# Altium PCB Gateway_V2.0_Final_PCB.PcbDoc (continued)
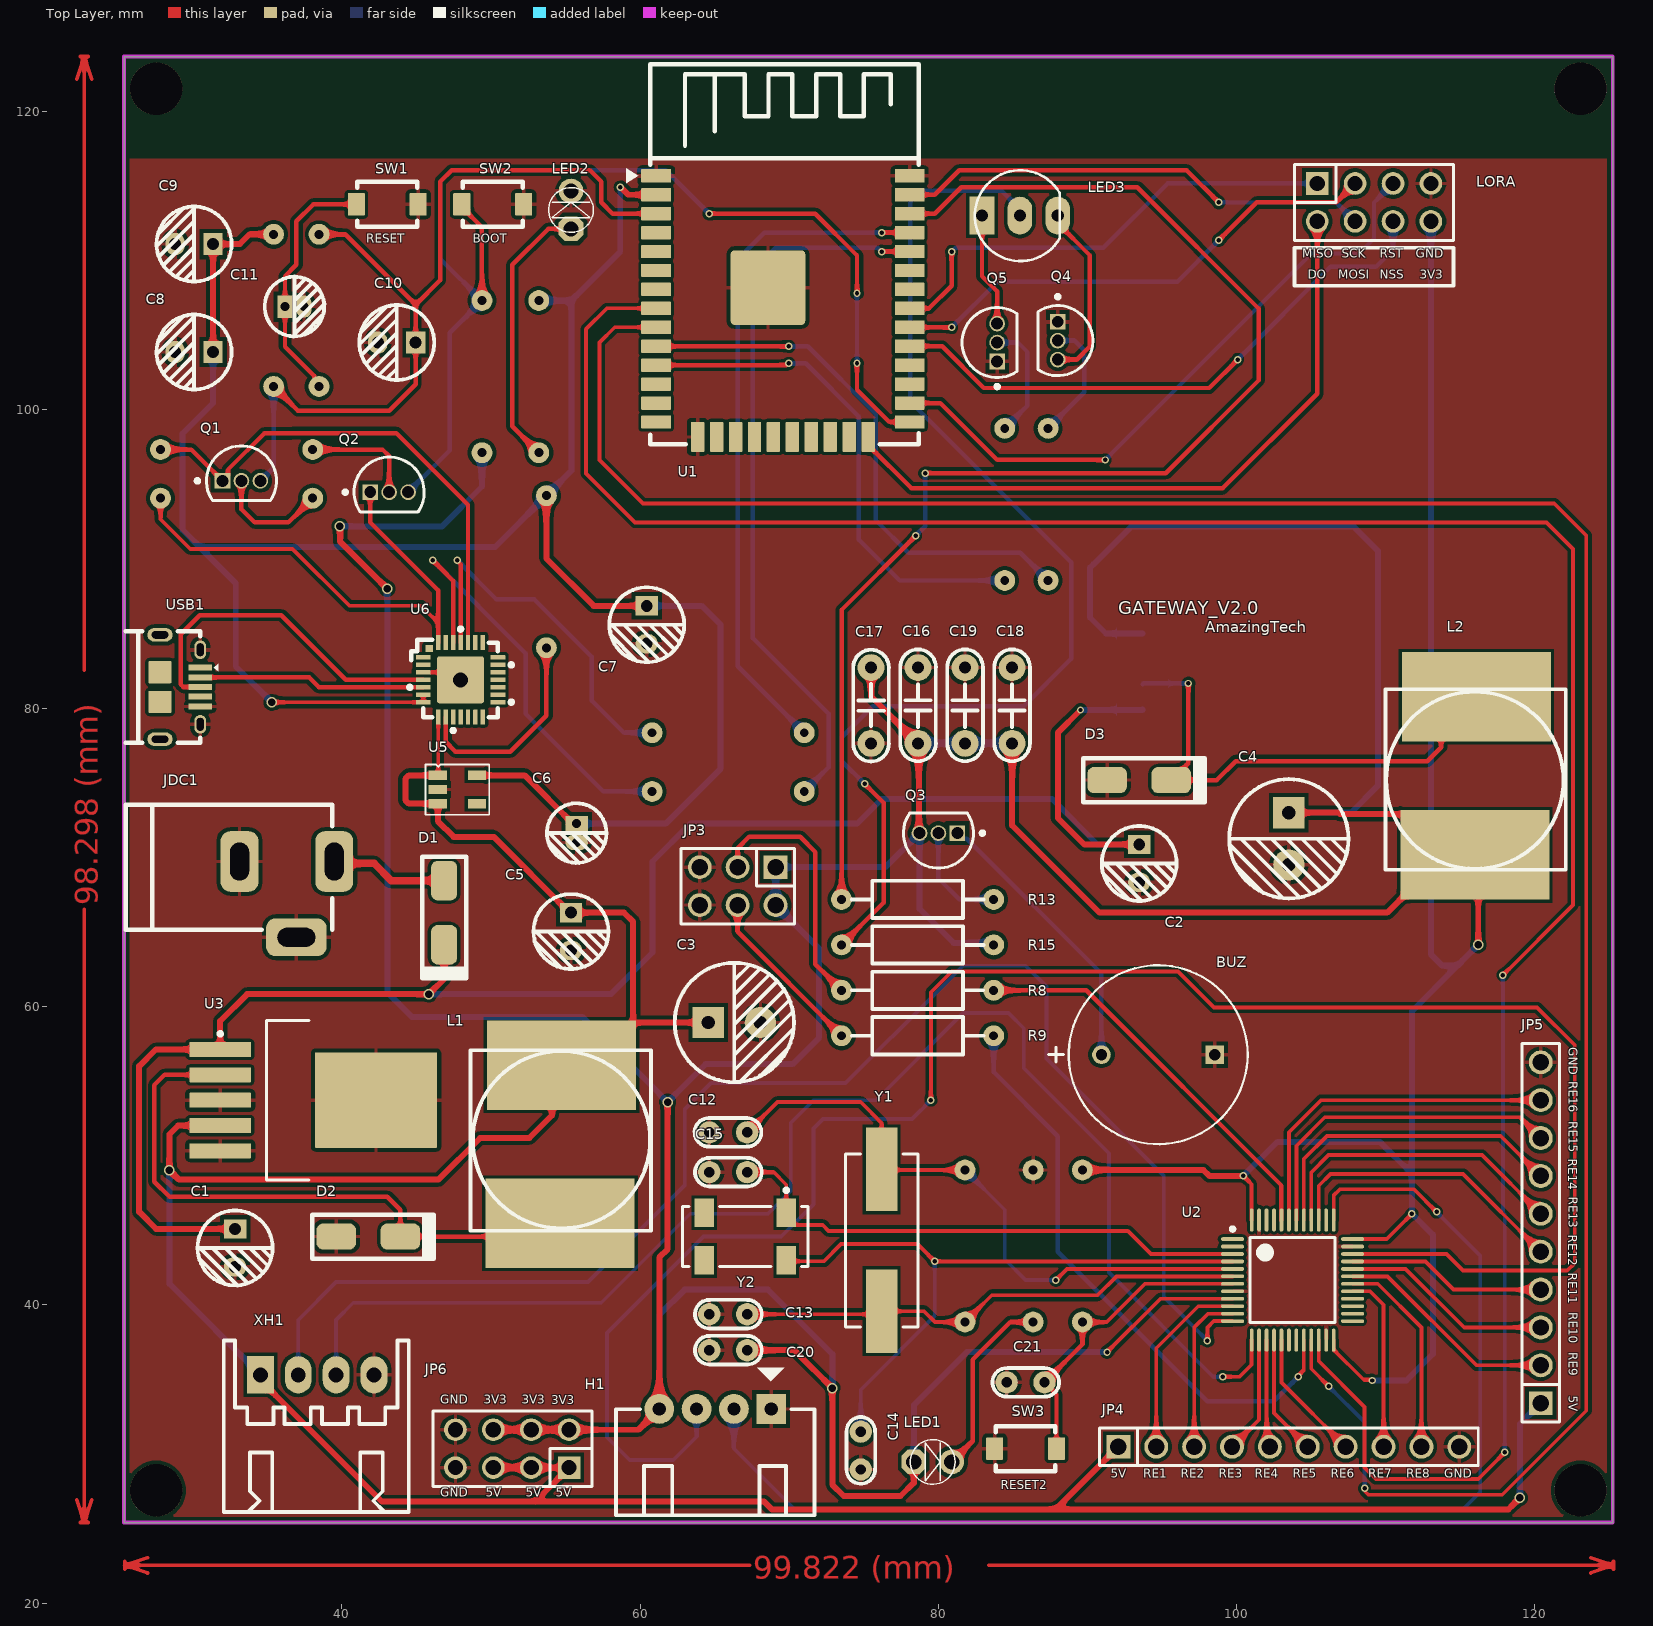
[diagram p0: Top Layer view]
## Footprints (in the part's own frame and the unit in brackets; to place one, negate y for a bottom-side part, rotate by r counter-clockwise, add the part's x,y. Pads: shape width x height; smd on the part's side, far side on the other; paste and mask are expansions set on the pad) (continued)
  silkscreen extent -3.81,-2.54 3.81,2.54, body extent -3.81,-2.54 3.81,2.54, height 8.55
"JP 2x4 CT" [mm] "8 pins, dual row, straight, gold plating"
  rect 1.52x1.52 hole 1.02: 1(-3.81,1.27)
  round 1.52 hole 1.02: 2(-1.27,1.27) 3(1.27,1.27) 4(3.81,1.27) 5(3.81,-1.27) 6(1.27,-1.27) 7(-1.27,-1.27) 8(-3.81,-1.27)
  silkscreen extent -5.33,-2.54 5.33,2.54, body extent -5.33,-2.54 5.33,2.54, height 8.51
KTT0005B_N [mm] "DPAK, 5-Leads, Body 10.65x9.65mm, Pitch 1.7mm, IPC Medium Density"
  rrect10% 4.15x1 smd: 1(-6.25,3.4) 2(-6.25,1.7) 3(-6.25,0) 4(-6.25,-1.7) 5(-6.25,-3.4)
  rrect2% 8.2x6.4 smd: 6(4.2,0)
  silkscreen extent -6.37,-5.35 -0.3,5.35, body extent -3.15,-5.32 6.5,5.33, height 4.83
LED-3MM-GREEN [mil]
  oct 65x65 hole 40: 1(0,0)
  round 65 hole 40: 2(100,0)
  silkscreen extent -9,-59 109,59, body extent -15,-70 112,60, height 182
"LED-5MM 2 MAU" [mil] "LED 3 PIN, 5 ly , Two colour"
  rect 65x100 hole 32: 1(0,0)
  oval 65x100 hole 32: 2(100,0) 3(200,0)
  silkscreen extent -19,-120 205,120, body extent -16,-116 210,116, height 427
ONSC-TO-92-3-29-11 [mm] "TO, 3-Leads, Body Dia 4.7mm, Pitch 1.27mm"
  rect 1.05x1.05 hole 0.8: 1(-1.27,0)
  round 1.05 hole 0.8: 2(0,0) 3(1.27,0)
  silkscreen extent -3.07,-1.34 2.35,2.35, body extent -2.35,-1.33 2.36,2.36, height 7.87
SOT23-5 [mm] "CASE: SOT"
  rect 0.62x1.22 smd mask+0.076: 1(-0.953,-1.31) 2(-0.003,-1.31) 3(0.947,-1.31) 4(0.952,1.31) 5(-0.953,1.31)
  silkscreen extent -1.69,-2.14 1.69,2.14, body extent -1.5,-1.5 1.5,1.5, height 1.41
SS14 [mm] "Diode SMD"
  rrect50% 2.65x1.75 smd: 1(-2.15,0) 2(2.15,0)
  silkscreen extent -3.75,-1.48 4.4,1.48, body extent -2.79,-1.98 2.79,1.97, height 2.6
STM-LQFP48_L [mm] "QFP, 48-Leads, Body 7x7mm, Pitch 0.5mm, IPC High Density"
  oval 1.55x0.25 smd: 1(-4.025,2.75) 2(-4.025,2.25) 3(-4.025,1.75) 4(-4.025,1.25) 5(-4.025,0.75) 6(-4.025,0.25) 7(-4.025,-0.25) 8(-4.025,-0.75) 9(-4.025,-1.25) 10(-4.025,-1.75) 11(-4.025,-2.25) 12(-4.025,-2.75) 25(4.025,-2.75) 26(4.025,-2.25) 27(4.025,-1.75) 28(4.025,-1.25) 29(4.025,-0.75) 30(4.025,-0.25) 31(4.025,0.25) 32(4.025,0.75) 33(4.025,1.25) 34(4.025,1.75) 35(4.025,2.25) 36(4.025,2.75)
  oval 0.25x1.55 smd: 13(-2.75,-4.025) 14(-2.25,-4.025) 15(-1.75,-4.025) 16(-1.25,-4.025) 17(-0.75,-4.025) 18(-0.25,-4.025) 19(0.25,-4.025) 20(0.75,-4.025) 21(1.25,-4.025) 22(1.75,-4.025) 23(2.25,-4.025) 24(2.75,-4.025) 37(2.75,4.025) 38(2.25,4.025) 39(1.75,4.025) 40(1.25,4.025) 41(0.75,4.025) 42(0.25,4.025) 43(-0.25,4.025) 44(-0.75,4.025) 45(-1.25,4.025) 46(-1.75,4.025) 47(-2.25,4.025) 48(-2.75,4.025)
  silkscreen extent -4.15,-2.85 2.85,3.55, body extent -3.5,-3.5 3.5,3.5, height 1.6
"tro vach 1/4w" [mm]
  round 1.4 hole 0.6: 1(-5.1,0) 2(5.1,0)
  silkscreen extent -4.39,-1.25 4.42,1.25, body extent -5.38,-1.19 5.38,1.19, height 2.41
TS5B_M [mm] "D2-PAK, 6-Leads, Body 8.6x10.2mm, Pitch 1.7mm, Lead Span 14.1mm, IPC Low Density"
  rect 3.5x1.1 smd: 1(-6.05,3.4) 2(-6.05,1.7) 3(-6.05,0) 4(-6.05,-1.7) 5(-6.05,-3.4)
  rect 8.6x10.5 smd: 6(3.5,0)
  silkscreen extent -6.17,-5.2 -1.2,5.2, body extent -2.6,-5.2 6.29,5.2, height 4.65
"tu gom" [mm] "Tu gom mini"
  round 1.5 hole 0.7: 1(-1.27,0) 2(1.27,0)
  silkscreen extent -2.25,-0.97 2.22,0.97, body extent -2.92,-0.85 2.92,0.85, height 6.12
"tu hoa 4mm" [mm]
  rect 1x1.5 hole 0.6: 1(-0.635,0)
  oval 1x1.5 hole 0.6: 2(0.635,0)
  silkscreen extent -2,-2 2.01,2.01, body extent -2.47,-2.47 2.58,2.58, height 14.81
"tu hoa 5mm" [mm]
  rect 1.3x1.5 hole 0.8: 1(-1.27,0)
  oval 1.3x1.5 hole 0.8: 2(1.27,0)
  silkscreen extent -2.51,-2.51 2.51,2.51, body extent -3.12,-3.18 3.23,3.18, height 14.55
"tu hoa 8mm" [mm]
  rect 2.1x2.1 hole 0.9: 1(-1.75,0)
  round 2.1 hole 0.9: 2(1.75,0)
  silkscreen extent -4,-4 4,4, body extent -4.1,-4.07 4.1,4.13, height 13.81
"tu tantalum dip5.08" [mm]
  round 1.8 hole 0.8: 1(-2.54,0) 2(2.54,0)
  silkscreen extent -3.74,-1.2 3.76,1.2, body extent -2.82,-1.08 2.77,1.08, height 6.27
"USB_MICRO_B - Digikey" [mm] "USB_MICRO_B, 609-4618-1-ND"
  rrect10% 0.4x1.6 smd: 1(0,0) 2(0.65,0) 3(1.3,0) 4(1.95,0) 5(2.6,0)
  oval 1.25x0.8 hole 0.85 slot 0.5 at 90 deg: 6(-1.2,0) 7(3.8,0)
  oval 0.9x1.7 hole 0.5 slot 1.1 at 90 deg: 8(-2.2,-2.7) 9(4.8,-2.7)
  rrect10% 1.5x1.55 smd: ""(0.3,-2.7) ""(2.3,-2.7)
  silkscreen extent -2.45,-5 5.05,1.22, body extent -2.45,-5 5.05,0.29, height 2.61
XH4/2.54mm/90 [mm]
  rect 1.8x2.5 hole 1: 1(0,0)
  oval 1.8x2.5 hole 1: 2(2.54,0) 3(5.08,0) 4(7.62,0)
  silkscreen extent -2.45,-9.2 9.95,2.3, body extent -2.45,-9.2 9.95,2.3, height 6.1

## Part data
BUZ: library part CMP-12433-000001-1, "MAGNETIC BUZZER AND TRANSDUCER - More Details", Current=30mA, Frequency=2300Hz, Manufacturer="Multicomp Pro", Manufacturer Part Number=MCKPX-G1203A-K4056, Max Supply Voltage=5V, Min Supply Voltage=2V, Operating Supply Voltage=3V, Package=0, Temperature="-20°C to +70°C", Temperature Range High=+70°C, Temperature Range Low=-20°C, Automotive=No, Category=Speak, ComponentLink2Description=Datasheet, ComponentLink2URL=http://www.farnell.com/datasheets/1498149.pdf?_ga=2.17855225.1157923166.1572356775-536200964.1569240579, Device Class L1=Electromechanical, Device Class L2="Audio Products", Device Class L3=Buzzers, Height=9.5mm, Lead Free=Yes, Octopart=https://octopart.com/mckpx-g1203a-k4056-multicomp-12157154, RoHS=TRUE, Standoff Height=0.5mm
C1 C2: library part "Tu Hoa 100uF 16V 5x7", "Cắm", Chung_Loai=Cắm, Don_Vi=Con, Ma_Hang=MH001347, So_Chan=2, Ten_Linh_Kien="Tụ Hóa 100uF 16V 5x7MM"
C3 C4: library part "Tu Hoa 1000uF 16V 8x20", "Cắm", Chung_Loai=Cắm, Don_Vi=Con, Ma_Hang=MH008300, So_Chan=2, Ten_Linh_Kien="Tụ Hóa 1000uF 16V 8x20MM"
C5 C7 C9: library part "Tu Hoa 0.1uF 50V 5x11", "Cắm", Chung_Loai=Cắm, Don_Vi=Con, Ma_Hang=MH006853, So_Chan=2, Ten_Linh_Kien="Tụ Hóa 0.1uF 50V"
C6 C11: library part "Tu Hoa 10uF 25V 4x7", "Cắm", Chung_Loai=Cắm, Don_Vi=Con, Ma_Hang=MH001349, So_Chan=2, Ten_Linh_Kien="Tụ Hóa 10uF 25V 4x7MM"
C8: library part "Tu Hoa 22uF 35V 5x11", "Cắm", Chung_Loai=Cắm, Don_Vi=Con, Ma_Hang=MH001350, So_Chan=2, Ten_Linh_Kien="Tụ Hóa 22uF 35V 5x11MM"
C10: library part "Tu Hoa 4.7uF 50V 5x11", "Cắm", Chung_Loai=Cắm, Don_Vi=Con, Ma_Hang=MH001357, So_Chan=2, Ten_Linh_Kien="Tụ Hóa 4.7uF 50V 5x11MM"
C12 C13 C14 C15 C20 C21: library part "Tu gom 20pF 50V", "Căm", Chung_Loai=Cắm, Don_Vi=Con, Ma_Hang=MH004768, So_Chan=2, Ten_Linh_Kien="Tụ gốm 20P 50V"
C16 C17 C18 C19: library part "Tu tantalum 100nF 50V 20% DIP5.08", "Cắm", Chung_Loai=Cắm, Don_Vi=Con, Ma_Hang=MH003955, So_Chan=2, Ten_Linh_Kien="Tụ tantalum 104-100nF 50V 20% DIP5.08 (sứ vàng)(10PCS)"
D1 D2 D3: library part "D Schottky", "Schottky Diode", Code_JEDEC=DO-214-AA, LatestRevisionDate=17-Jul-2002, LatestRevisionNote="Re-released for DXP Platform.", PackageDescription="DO-214-AA/SMB; 2 C-Bend Leads; Body 5.3 x 3.6 mm, inc. leads (LxW)", PackageReference=SMB, Published=8-Jun-2000, Publisher="Altium Limited"
H1: library part "Header 4P 2.54 Duc Cong", "Cắm", Chung_Loai=Cắm, Don_Vi=Con, Ma_Hang=MH001310, Ten_Linh_Kien="Header 4P XH2.54-4P Đực Cong"
JDC1: library part DCIN, "Jac DC input"
JP3: library part "JP 2x3 2.54 Duc Thang", "Cắm", Chung_Loai=Cắm, Don_Vi=Con, Ma_Hang=MH002686, Ten_Linh_Kien="Jump Đôi Đực 2.54MM 2x40P Thẳng 11MM"
JP4 JP5: library part "JP 1x10 2.54 Duc Thang", "Cắm", Chung_Loai=Cắm, Don_Vi=Con, Ma_Hang=MH000903, Ten_Linh_Kien="Jump Đơn Đực 2.54MM 1x40P Thẳng 11MM"
JP6 LORA: library part "JP 2x4 2.54 Cai Thang", "Cắm", Chung_Loai=Cắm, Don_Vi=Con, Ma_Hang=MH008647, Ten_Linh_Kien="Jump Đôi Cái 2.54MM 2x20P Thẳng"
L1 L2: library part "CUON CAM 100uH SMD", "Dán", Chung_Loai=Dán, Don_Vi=Con, Ten_Linh_Kien="Cuộn Cảm 100uH 7x7x4MM CD74"
LED1 LED2: library part "LED 3mm Xanh La", "Cắm", Chung_Loai=Cắm, Don_Vi=Con, Ma_Hang=MH001054, Ten_Linh_Kien="Led 3MM Phủ Xanh (10c)"
LED3: library part "LED 5mm 2 mau Anot chung", "Cắm", Chung_Loai=Cắm, Don_Vi=Con, Ma_Hang=MH001231, Ten_Linh_Kien="Led 5MM 2 Mầu Anot Xanh Đỏ (10c)"
Q1 Q2 Q3 Q4 Q5: library part CMP-2000-05562-1, "General Purpose Transistor, NPN Silicon, 200 mA, 60 V, -55 to 150 degC, 3-Pin TO-92, RoHS, Bulk", Collector- Base Voltage VCBO=60V, Collector- Emitter Voltage VCEO Max=40V, Collector-Emitter Saturation Voltage=0.3V, Emitter- Base Voltage VEBO=6V, Manufacturer=ONSemiconductor, Maximum DC Collector Current=0.2A, Maximum Operating Temperature=+150C, Maximum Power Dissipation=625mW, Minimum Operating Temperature=-65C, Package / Case=TO-92-3(TO-226), Package Description="3-Pin Transistor Outline, Body 4.825 x 3.685 mm, Pitch 1.27 mm", Package Reference=TO-92-3-29-11, Brand=ONSemiconductor, Configuration=Single, Datasheet URL=https://datasheet.ciiva.com/4725/2n3903-d-285841-4725808.pdf, Datasheet Version="Rev. 8, 08/2012", DC Collector/Base Gain hfe Min=60, Factory Pack Quantity=5000, Gain Bandwidth Product fT=270MHz, Manufacturer URL=http://www.onsemi.com/, Mounting Style=ThroughHole, Mounting Technology=ThroughHole, Packaging=Bulk, Product Category=BipolarTransistors-BJT, RoHS=Details, Transistor Polarity=NPN
R1 R2 R7 R12: library part "Tro Vach 1/4W 5% 10k", "Căm", Chung_Loai=Cắm, Don_Vi=Con, Ma_Hang=MH007354, So_Chan=2, Ten_Linh_Kien="Trở Vạch 1/4w 5% 10K"
R3 R4 R14 R15: library part "Tro Vach 1/4W 5% 1k", "Cắm", Chung_Loai=Cắm, Don_Vi=Con, Ma_Hang=MH007390, So_Chan=2, Ten_Linh_Kien="Trở Vạch 1/4w 5% 1k"
R5 R6: library part "Tro Vach 1/4W 1% 10k", "Cắm", Chung_Loai=Cắm, Don_Vi=Con, Ma_Hang=MH006349, So_Chan=2, Ten_Linh_Kien="Trở Vạch 1/4w 1% 10k"
R8 R9: library part "Tro Vach 1/4W 5% 100k", "Cắm", Chung_Loai=Cắm, Don_Vi=Con, Ma_Hang=MH007352, So_Chan=2, Ten_Linh_Kien="Trở Vạch 1/4w 5% 100k"
R10 R11: library part "Tro Vach 1/4W 5% 1M", "Cắm", Chung_Loai=Cắm, Don_Vi=Con, Ma_Hang=MH007392, So_Chan=2, Ten_Linh_Kien="Trở Vạch 1/4w 5% 1M"
R13 R16 R17: library part "Tro Vach 1/4W 5% 220R", "Cắm", Chung_Loai=Cắm, Don_Vi=Con, Ma_Hang=MH007300, So_Chan=2, Ten_Linh_Kien="Trở Vạch 1/4w 5% 220R"
R18: library part "Tro Vach 1/4W 5% 4.7k", "Cắm", Chung_Loai=Cắm, Don_Vi=Con, Ma_Hang=MH007317, So_Chan=2, Ten_Linh_Kien="Trở Vạch 1/4w 5% 4.7k"
SW1 SW2 SW3: library part SW2, "SWITCH TACTILE SPST-NO 0.05A 12V", Digikey=CKN10384CT-ND
U1: "ESP-WROOM-32 (8MB), WIFI MODULE 64 MBITS SPI FLASH", Digikey=1904-1019-1-ND
U2: library part CMP-0237-00215-3, "ARM Cortex-M3 32-bit MCU, 64 KB Flash, 20 KB Internal RAM, 37 I/Os, 48-pin LQFP, -40 to 85 degC, Tray", I/Os (High Current)=37, Operating Frequency(F) (Processor speed) (MHz)=72, Supply Voltage(Vcc) min (V)=2, A/D Converter="2x12-bit (10 Channel)", ComponentLink1Description="Manufacturer URL", ComponentLink1URL=http://www.st.com/web/en/home.html, ComponentLink2Description=Datasheet, ComponentLink2URL=http://www.st.com/st-web-ui/static/active/en/resource/technical/document/datasheet/CD00161566.pdf, ComponentLink3Description="Package Specification", ComponentLink3URL=http://www.st.com/st-web-ui/static/active/en/resource/technical/document/datasheet/DM00058181.pdf, Core="ARM Cortex-M3", DatasheetVersion="Rev. 16", FLASH Size (Prog) (kB)=64, Internal RAM Size (kB)=20, Mounting Technology="Surface Mount", PackageDescription="48-Pin Low Profile Quad Flat Package, 7 x 7 mm Body, 0.5 mm Pitch", PackageReference=LQFP48, PackageVersion="Rev. 6, 06/2013", Packing=Tray, PartNumber=STM32F103C8T6
U3: library part CMP-0069-00115-3, "SIMPLE SWITCHER® 3A Step-Down Voltage Regulator, 5-pin TO-263", Manufacturer="Texas Instruments", PackageTopMarking="NSUZXYTTE#*LM2576S*-5.0 P+", PowerWise=N, Code_JEDEC=MO-169-AB, ComponentLink1Description="Datasheet URL", ComponentLink1URL=http://www.ti.com/general/docs/lit/getliterature.tsp?genericPartNumber=LM2576&fileType=pdf, CompType=Switcher, PackageDescription="TO-263, Molded, .400 x .390 x .180in, 5 Lead, .067in Pitch, Surface Mount", PackageReference=KTT0005B, PinCount=5, RoHS=N
U4: library part CMP-0069-00113-2, "SIMPLE SWITCHER® 3A Step-Down Voltage Regulator, 5-pin TO-263", Manufacturer="National Semiconductor", PackageTopMarking="NSUZXYTTE#*LM2576S*-3.3 P+", PowerWise=N, Code_JEDEC=MO-169-AB, ComponentLink1Description="LM2576 Datasheet", ComponentLink1URL=http://www.national.com/ds/LM/LM2576.pdf, ComponentLink2Description="LM2576 Web Page", ComponentLink2URL=http://www.national.com/pf/LM/LM2576.html, ComponentLink3Description="TS5B Package Page", ComponentLink3URL=http://www.national.com/packaging/folders/ts5b.html, CompType=Switcher, DatasheetVersion=Aug-2004, PackageDescription="TO-263, Molded, .400 x .390 x .180in, 5 Lead, .067in Pitch, Surface Mount", PackageReference=TS5B, PackageVersion="revD, Apr-2005", PinCount=5, RevisionNote="Component URLs added", RoHS=N
U5: library part REG_5.5V-3.3V-0.3A-1W-SOT-23-5, "Linear Voltage Regulator IC 1 Output 300mA SOT-23-5", Alternate Part Number-1=NA, Case/Package=SOT-23-5, Manufacturer="Richtek USA Inc.", Supplier Part Number-1=C15651, Manufacturer Part Number=RT9193-33GB, Supplier-1=LCSC
U6: library part CP2102, "USB Bridge, USB to UART USB 2.0 UART Interface 28-QFN (5x5)", Digikey=336-3694-ND, VNBuy=https://banlinhkien.vn/goods-2607-cp2102-qfn28.html
USB1: library part USB_MINI, "USB - micro B USB 2.0 Receptacle Connector 5 Position Surface Mount, Right Angle; Through Hole", BuyVN=https://banlinhkien.vn/goods-5145-microusb-mk5p-dip.html, Digikey=609-4618-1-ND
Y1: library part CMP-27762-001729-1, "CRYSTAL 8.0000MHZ 18PF SMD", ESR (Equivalent Series Resistance)=80R, Frequency=8MHz, Frequency Stability=30ppm, Load Capacitance=18pF, Max Operating Temperature=85°C, Min Operating Temperature=-40°C, Operating Frequency="8 MHz", Package Quantity=1000, Depth=4.7mm, Frequency Tolerance=30ppm, Height=0.13inch, Lead Free="Lead Free", Length=11.4mm, Mount="Surface Mount", Number of Pins=2, Packaging="Tape and Reel", RoHS Compliant=Yes, Series=ABLS2, Series Resistance=80R, Termination=SMD/SMT, Tolerance=30ppm, Width=4.7mm
Y2: library part CMP-2000-05037-2, "CRYSTAL 32.7680KHZ 12.5PF SMD", Case/Package=SMD/SMT, ESR (Equivalent Series Resistance)=50kR, Frequency=32.768kHz, Frequency Tolerance=20ppm, Load Capacitance=12.5pF, Max Operating Temperature=85°C, Min Operating Temperature=-40°C, Operating Frequency="32.768 kHz", Package Quantity=1000, Depth=3.8mm, Height=0.098inch, Lead Free="Lead Free", Length=8mm, Mount="Surface Mount", Number of Pins=4, Packaging="Tape and Reel", Radiation Hardening=No, REACH SVHC="No SVHC", RoHS Compliant=Yes, Series=ABS25, Series Resistance=50kR, Termination=SMD/SMT, Tolerance=20ppm, Width=3.8mm

## Free pads (board coordinates)
  round 3.5 hole 3.5: ""(27.559,27.559) ""(27.559,121.539) ""(123.063,27.559) ""(123.063,121.539)

## Via types
v1: diameter 0.5, hole 0.3, Top Layer to Bottom Layer, 36 vias
v2: diameter 0.7, hole 0.5, Top Layer to Bottom Layer, 9 vias

## Nets (pads, with @x,y where several pads share a name; then routed paths per layer and width w, separated by ;. In a path a pad name is that pad's centre, name@x,y a point inside that pad or via, vN(x,y) a via of type N, cw(c..) or ccw(c..) an arc to the next point about the centre after c; other vN are vias at no path point)
3.3V_ESP: C6.1 C7.1 C8.1 C9.1 R5.1 R14.1 R18.1 U1.2 U5.5 U6.6 U6.7 | length 147.8
  Top Layer w0.254: v2(35.306,80.391) 35.314,80.399 45.458,80.399 U6.7 U6.6
  Top Layer w0.4: C8.1 C9.1 33.163,111.125 33.818,111.78 R5.1 ; U5.5 52.264,75.502 55.503,72.263 C6.1 ; R18.1 53.721,90.043 56.896,86.868 C7.1 ; v1(58.674,114.935) 58.701,114.935 59.206,114.431 61.076,114.431 U1.2
  Bottom Layer w0.4: C8.1 31.369,100.457 29.337,98.425 29.337,91.948 30.48,90.805 ; v2(35.306,80.391) 32.893,82.804 32.893,88.392 30.48,90.805 ; R14.1 55.392,107.335 ; C6.1 61.722,72.263 65.405,75.946 65.405,85.598 64.135,86.868 C7.1 ; v1(58.674,114.935) 58.674,110.617 55.392,107.335 ; 30.48,90.805 50.272,90.805 R18.1 55.392,95.925 55.392,107.335
3V3: C4.1 C16.1 C17.1 C18.1 C19.1 C20.1 H1.4 JP3.1 JP3.6 JP6.6 JP6.7 JP6.8 L2.2 LED1.1 LORA.5 Q3.3 R7.1 R12.2 R15.2 U2.9 U2.24 U2.36 U2.48 U4.4 | length 468.1
  Top Layer w0.254: v1(91.313,36.83) 94.889,40.406 U2.9 ; v1(100.457,48.641) 101.009,48.089 U2.48 ; U2.24 106.509,36.985 108.522,34.972 109.046,34.972 v1(109.093,34.925) ; U2.36 110.065,44.406 v1(111.76,46.101)
  Top Layer w0.4: v2(39.878,92.202) 39.893,92.187 39.893,91.171 v2(43.053,88.011) ; JP6.6 JP6.7 JP6.8 59.897,31.623 H1.4 61.294,43.177 61.849,43.732 v2(61.849,53.594) ; C20.1 70.358,36.957 70.484,36.831 v2(72.898,34.417) 72.898,27.94 73.66,27.178 77.47,27.178 78.359,28.067 LED1.1 ; C17.1 75.49,80.799 C16.1 78.691,77.598 78.691,71.677 Q3.3 ; C18.1 84.946,72.153 90.805,66.294 110.1,66.294 L2.2@113.978,70.172 ; R12.2 97.77,49.042 98.171,48.641 v1(100.457,48.641) ; C4.1 106.835,72.997 106.934,72.898 111.252,72.898 L2.2@113.978,70.172 ; v2(116.205,64.135) 116.205,69.945 L2.2 L2.2@113.978,70.172
  Bottom Layer w0.4: v2(39.878,92.202) 46.736,92.202 49.403,94.869 R7.1 ; v2(43.053,88.011) 43.053,60.96 44.704,59.309 56.134,59.309 v2(61.849,53.594) 64.389,56.134 70.231,56.134 72.009,57.912 72.009,63.881 JP3.6 JP3.1 76.454,69.342 Q3.3 78.74,66.548 81.026,64.262 83.586,64.262 R15.2 ; JP6.8 JP6.8@55.372,31.75 ; H1.4@61.167,32.893 H1.4 61.294,39.323 62.992,41.021 68.58,41.021 72.898,36.703 v2(72.898,34.417) ; LED1.1 78.359,33.274 81.915,36.83 v1(91.313,36.83) ; C16.1 C19.1 C18.1 ; U4.4 91.244,85.012 90.17,86.086 90.17,89.428 90.404,89.662 90.424,89.662 92.964,92.202 107.823,92.202 109.474,90.551 109.474,74.803 107.668,72.997 C4.1 ; v1(100.457,48.641) 102.743,50.927 109.601,50.927 111.76,48.768 ; v1(109.093,34.925) 111.379,34.925 113.157,36.703 113.157,44.704 v1(111.76,46.101) 111.76,48.768 ; LORA.5 113.03,63.5 113.792,62.738 114.808,62.738 ; v2@116.262,64.078 v2(116.205,64.135) 114.808,62.738 ; 111.76,48.768 111.76,59.69 114.808,62.738
5V: C3.1 C5.1 JP4.1 JP5.1 JP6.1 JP6.2 JP6.3 L1.2 U3.4 U5.1 U5.3 U6.8 XH1.1 | length 208.3
  Top Layer w0.254: U5.1@46.466,75.502 U6.8
  Top Layer w0.4: U3.4 29.034,52.021 28.448,51.435 v2(28.448,49.022) 29.083,48.387 46.482,48.387 49.276,51.181 52.576,51.181 54.099,52.704 54.099,55.431 L1.2 56.737,56.069 59.537,58.869 L1.2@59.537,58.928 ; XH1.1 34.544,34.956 42.703,26.797 52.959,26.797 ; U5.1 44.494,75.502 44.26,75.267 44.26,73.836 44.494,73.602 U5.3 46.442,72.43 47.498,71.374 50.192,71.374 55.272,66.294 C5.1 58.928,66.294 59.537,65.685 L1.2@59.537,58.928 ; JP6.3 JP6.2 JP6.1 52.959,26.797 ; C3.1 L1.2@59.537,58.928 ; JP4.1 87.884,26.289 ; v2(118.999,27.051) 118.237,26.289 87.884,26.289 ; 52.959,26.797 68.326,26.797 68.834,26.289 87.884,26.289
  Bottom Layer w0.4: v2(28.448,49.022) 28.448,41.402 XH1.1 ; v2(118.999,27.051) 118.999,32.004 JP5.1
BOOT0: R8.1 U2.44 | length 27
  Top Layer w0.3: R8.1 89.916,61.087 103.009,47.994 U2.44
BOOT1: R9.2 U2.20 | length 39.8
  Top Layer w0.254: v1(104.14,35.179) 104.14,35.246 104.509,35.615 U2.20
  Bottom Layer w0.3: R9.2 83.713,55.606 88.011,51.308 88.011,43.561 98.044,33.528 102.489,33.528 v1(104.14,35.179)
EN: C10.1 Q1.3 R5.2 R6.2 U1.3 | length 57.2
  Top Layer w0.3: R5.2 37.064,99.949 43.18,99.949 44.958,101.727 C10.1 44.958,107.061 ; R6.2 40.239,111.78 44.958,107.061 ; U1.3 58.159,113.164 57.404,113.919 57.404,115.316 56.642,116.078 47.371,116.078 46.609,115.316 46.609,108.712 44.958,107.061
  Bottom Layer w0.3: Q1.3 35.433,96.139 R5.2
GND: BUZ.1 C1.2 C2.2 C3.2 C4.2 C5.2 C6.2 C7.2 C8.2 C9.2 C10.2 C11.2 C12.1 C13.2 C14.2 C15.2 C16.2 C17.2 C18.2 C19.2 C20.2 C21.2 D2.1 D3.1 H1.1 JDC1.2 JDC1.3 JP3.3 JP3.4 JP4.10 JP5.10 JP6.4 JP6.5 LED2.2 LORA.4 Q4.1 Q5.1 R11.2 SW1.1 SW2.2 SW3.1 U1.1 U1.15 U1.38 U1.39 U2.8 U2.23 U2.35 U2.47 U3.3 U3.5 U3.6 U4.3 U4.5 U4.6 U5.2 U6.3 U6.29 USB1.5 USB1.6 USB1.7 XH1.4 | length 2.7
  Top Layer w0.254: U6.3 47.156,82.407 47.656,81.907 U6.29@47.966,81.907
IO0: Q2.3 R7.2 SW2.1 U1.25 | length 75.1
  Top Layer w0.3: SW2.1 48.047,113.613 49.403,112.257 R7.2 ; v1(64.643,113.157) 71.755,113.157 74.549,110.363 v1(74.549,107.823) ; v1(74.549,103.124) 74.549,101.346 76.701,99.194 U1.25
  Bottom Layer w0.3: Q2.3 47.244,97.282 47.244,105.176 R7.2 46.609,110.129 46.609,115.316 47.371,116.078 61.722,116.078 v1(64.643,113.157) ; v1(74.549,103.124) v1(74.549,107.823)
IO2: LORA.8 U1.24 | length 46.1
  Top Layer w0.3: U1.24 75.295,97.644 78.197,94.742 99.06,94.742 105.41,101.092 LORA.8
IO4/INT: LORA.3 U1.26 | length 43.1
  Top Layer w0.3: U1.26 80.13,100.464 83.947,96.647 v1(91.186,96.647)
  Bottom Layer w0.254: v1(91.186,96.647) 105.029,110.49 108.204,110.49 109.22,111.506 109.22,113.919 LORA.3
IO5: LORA.6 U1.29 | length 39.3
  Top Layer w0.3: U1.29 80.257,104.274 83.058,101.473 98.171,101.473 v1(100.076,103.378)
  Bottom Layer w0.3: v1(100.076,103.378) 106.299,109.601 109.347,109.601 110.49,110.744 LORA.6
IO6: U1.20
IO7: U1.21
IO8: U1.22
IO9: U1.17
IO10: U1.18
IO11: U1.19
IO12/MISO: U1.14
IO13/MOSI: U1.16
IO14/SCK: U1.13
IO15/CS: U1.23
IO16/RX: U1.27
IO17/TX: U1.28
IO18: LORA.2 U1.30 | length 33.9
  Top Layer w0.3: U1.30 78.084,105.541 80.895,105.541 v1(80.899,105.537) ; v1(98.806,111.379) 101.346,113.919 106.68,113.919 LORA.2
  Bottom Layer w0.3: v1(80.899,105.537) 83.947,108.585 96.012,108.585 v1(98.806,111.379)
IO19: LORA.1 U1.31 | length 32.1
  Top Layer w0.3: U1.31 79.382,106.814 80.899,108.331 v1(80.899,110.617)
  Bottom Layer w0.3: v1(80.899,110.617) 80.921,110.617 81.175,110.871 91.059,110.871 95.377,115.189 LORA.1
IO21: U1.33
IO22: R13.1 U1.36 | length 88.1
  Top Layer w0.3: R13.1 73.513,86.594 v1(78.486,91.567) ; U1.36 78.084,113.161 79.762,113.161 81.537,114.935 93.345,114.935 101.473,106.807 101.473,101.981 95.25,95.758 v1(79.121,95.758)
  Bottom Layer w0.3: v1(78.486,91.567) 79.121,92.202 v1(79.121,95.758)
IO23: LORA.7 U1.37 | length 32
  Top Layer w0.3: U1.37 79.763,114.434 81.407,116.078 96.647,116.078 v1(98.806,113.919)
  Bottom Layer w0.254: v1(98.806,113.919) 106.68,113.919 LORA.7
IO25: R16.1 U1.10 | length 37
  Top Layer w0.3: U1.10 61.083,104.271 69.973,104.271 v1(69.977,104.267)
  Bottom Layer w0.3: v1(69.977,104.267) 71.247,104.267 75.819,99.695 75.819,92.583 77.978,90.424 85.505,90.424 R16.1
IO26: R17.1 U1.11 | length 34.3
  Top Layer w0.3: U1.11 61.083,103.001 69.799,103.001 69.923,103.124 v1(69.977,103.124)
  Bottom Layer w0.3: v1(69.977,103.124) 71.12,103.124 74.676,99.568 74.676,91.313 77.423,88.566 R17.1
IO27/RESET_ETH: U1.12
IO32: U1.8 U2.22 | length 166.1
  Top Layer w0.254: U1.8 57.774,106.814 56.379,105.419 56.379,95.749 59.672,92.456 120.777,92.456 122.555,90.678 122.555,66.802 v1(117.856,62.103) ; U2.22 105.509,36.223 108.585,33.147 108.585,29.083 109.347,28.321 116.205,28.321 v1(117.983,30.099)
  Bottom Layer w0.254: v1(117.856,62.103) 117.856,46.188 117.983,46.061 v1(117.983,30.099)
IO33: U1.9 U2.21 | length 168
  Top Layer w0.254: U1.9 58.3,105.544 57.277,104.521 57.277,96.647 60.198,93.726 121.303,93.726 123.444,91.585 123.444,32.893 117.809,27.258 108.839,27.258 108.632,27.465 108.632,27.639 v1(108.585,27.686) ; U2.21 105.009,35.707 v1(106.172,34.544)
  Bottom Layer w0.254: v1(106.172,34.544) 108.585,32.131 v1(108.585,27.686)
IO34: U1.6
IO35: U1.7
NetBUZ_2: BUZ.2 Q3.1 | length 19
  Bottom Layer w0.3: Q3.1 81.655,71.253 81.909,71.253 90.942,62.22 BUZ.2
NetC11_1: C11.1 R6.1 SW1.2 | length 16.8
  Top Layer w0.3: R6.1 38.481,101.878 38.158,102.2 38.158,102.284 36.195,104.247 C11.1 36.195,108.966 36.957,109.728 36.957,112.649 38.1,113.792 SW1.2
NetD1_1: D1.1 JDC1.1 | length 7.9
  Top Layer w0.254: JDC1.1 JDC1.1@39.624,69.596
  Top Layer w0.5: JDC1.1@39.624,69.596 42.164,69.596 43.316,68.444 D1.1
NetD2_2: D2.2 L1.1 U3.2 | length 41.3
  Top Layer w0.3: U3.2 28.116,55.421 27.432,54.737 27.432,48.26 28.448,47.244 43.053,47.244 43.933,46.364 D2.2 53.745,44.577 L1.1
NetD3_2: D3.2 L2.1 U4.2 | length 34.4
  Top Layer w0.3: D3.2@96.62,75.887 D3.2@95.916,75.184 ; v1(96.774,81.661) 96.774,76.336 D3.2 D3.2@95.916,75.184 ; L2.1 113.714,78.408 113.714,77.392 112.776,76.454 99.949,76.454 98.679,75.184 D3.2@95.916,75.184
  Bottom Layer w0.3: U4.2 93.75,81.661 v1(96.774,81.661)
NetJP3_2: JP3.2 R8.2 | length 17.2
  Top Layer w0.3: JP3.2 66.548,70.612 67.31,71.374 70.739,71.374 71.755,70.358 71.755,62.845 R8.2
NetJP3_5: JP3.5 R9.1 | length 11.6
  Top Layer w0.3: JP3.5 66.548,65.004 R9.1
NetLED1_2: LED1.2 R11.1 | length 12.5
  Top Layer w0.3: LED1.2 82.296,30.861 82.296,36.322 84.816,38.842 R11.1
NetLED2_1: LED2.1 R14.2 | length 18.3
  Top Layer w0.3: R14.2 51.435,98.913 51.435,109.728 53.848,112.141 LED2.1
NetLED3_1: LED3.1 Q5.3 | length 7.7
  Top Layer w0.3: LED3.1 82.931,108.966 83.947,107.95 Q5.3
NetLED3_2: LED3.2 R15.1 | length 77.5
  Top Layer w0.3: R15.1 76.327,66.949 76.327,73.66 v1(75.057,74.93)
  Bottom Layer w0.3: v1(75.057,74.93) 73.533,76.454 73.533,78.056 75.614,80.137 85.725,80.137 88.9,83.312 88.9,89.789 78.105,100.584 78.105,113.919 78.89,114.704 84.242,114.704 85.471,113.474 LED3.2
NetLED3_3: LED3.3 Q4.3 | length 12.2
  Top Layer w0.3: Q4.3 89.281,103.378 90.17,104.267 90.17,110.363 88.011,112.522 LED3.3
NetQ1_2: Q1.2 R1.2 | length 7.7
  Top Layer w0.3: Q1.2 33.274,93.345 34.163,92.456 36.422,92.456 R1.2
NetQ2_2: Q2.2 R2.2 | length 7.7
  Top Layer w0.3: R2.2 42.732,97.349 43.18,96.901 Q2.2
NetQ3_2: Q3.2 R13.2 | length 7.3
  Bottom Layer w0.3: Q3.2 80.01,68.58 81.407,67.183 R13.2
NetQ4_2: Q4.2 R16.2 | length 8.3
  Bottom Layer w0.3: R16.2 89.789,101.192 89.789,104.013 89.154,104.648 Q4.2
NetQ5_2: Q5.2 R17.2 | length 8
  Bottom Layer w0.3: Q5.2 85.344,104.521 85.979,103.886 85.979,100.29 R17.2
NetR3_1: R3.1 U6.26 | length 29.6
  Top Layer w0.3: v1(46.101,89.916) 46.739,89.278 47.466,88.551 U6.26
  Bottom Layer w0.3: v1(46.101,89.916) 52.324,83.693 52.324,79.629 57.531,74.422 R3.1
NetR4_1: R4.1 U6.25 | length 25.2
  Top Layer w0.3: v1(47.752,89.916) 47.752,89.862 47.966,89.648 U6.25
  Bottom Layer w0.3: v1(47.752,89.916) 50.375,87.293 52.915,87.293 56.769,83.439 56.769,80.518 58.928,78.359 R4.1
NetR18_2: R18.2 U6.9 | length 14.2
  Top Layer w0.3: U6.9 46.966,77.748 47.625,77.089 51.308,77.089 53.721,79.502 R18.2
OSCIN: C12.2 R10.2 U2.5 Y1.1 | length 42.4
  Top Layer w0.254: C12.2 69.212,53.594 74.803,53.594 76.2,52.197 Y1.1 76.231,49.042 R10.2 ; v1(87.884,41.656) 88.634,42.406 U2.5
  Bottom Layer w0.254: R10.2 84.455,46.375 84.455,43.053 85.852,41.656 v1(87.884,41.656)
OSCOUT: C13.1 R10.1 U2.6 Y1.2 | length 34.2
  Top Layer w0.254: C13.1 75.997,39.37 Y1.2 79.045,39.573 79.776,38.842 R10.1 83.586,40.64 90.678,40.64 91.944,41.906 U2.6
PA0/REL1: JP4.2 U2.10 | length 12.9
  Top Layer w0.254: JP4.2 94.615,37.084 97.435,39.904 99.732,39.904 U2.10
PA1/REL2: JP4.3 U2.11 | length 11
  Top Layer w0.254: JP4.3 97.155,38.481 98.078,39.404 99.732,39.404 U2.11
PA2/U2_TX: U2.12 XH1.2 | length 98.2
  Top Layer w0.254: v1(98.044,37.592) 98.044,38.481 98.469,38.906 U2.12
  Bottom Layer w0.254: XH1.2 37.084,38.989 39.624,41.529 56.515,41.529 62.992,48.006 62.992,53.086 64.77,54.864 73.787,54.864 79.936,61.013 81.661,62.738 85.852,62.738 87.249,61.341 87.249,56.515 95.123,48.641 95.123,40.513 v1(98.044,37.592)
PA3/U2_RX: U2.13 XH1.3 | length 94.6
  Top Layer w0.254: v1(99.06,35.179) 100.203,35.179 101.009,35.985 U2.13
  Bottom Layer w0.254: XH1.3 39.624,38.989 40.767,40.132 57.404,40.132 63.373,46.101 68.58,46.101 70.104,47.625 70.104,52.197 71.628,53.721 75.819,53.721 81.661,59.563 84.709,59.563 85.725,58.547 85.725,55.88 91.44,50.165 91.44,42.164 98.425,35.179 v1(99.06,35.179)
PA4/REL3: JP4.4 U2.14 | length 7.9
  Top Layer w0.254: JP4.4 101.509,32.294 U2.14
PA5/REL4: JP4.5 U2.15 | length 7.2
  Top Layer w0.254: U2.15 102.009,30.706 JP4.5
PA6/REL5: JP4.6 U2.16 | length 8.1
  Top Layer w0.254: U2.16 102.509,32.746 JP4.6
PA7/REL6: JP4.7 U2.17 | length 8.9
  Top Layer w0.254: U2.17 103.009,34.786 JP4.7
PA8/REL7: JP4.8 U2.29 | length 12
  Top Layer w0.254: U2.29 107.786,40.904 108.956,40.904 109.855,40.005 JP4.8
PA9/REL8: JP4.9 U2.30 | length 13.8
  Top Layer w0.254: U2.30 109.47,41.406 112.395,38.481 JP4.9
PA10/REL9: JP5.2 U2.31 | length 15.1
  Top Layer w0.254: U2.31 110.113,41.906 116.078,35.941 JP5.2
PA11/REL10: JP5.3 U2.32 | length 14.2
  Top Layer w0.254: U2.32 111.336,42.406 115.261,38.481 JP5.3
PA12/REL11: JP5.4 U2.33 | length 13.4
  Top Layer w0.254: U2.33 112.669,42.906 114.554,41.021 JP5.4
PA15: U2.38
PB0: U2.18
PB1: U2.19
PB3/REL12: JP5.5 U2.39 | length 19.7
  Top Layer w0.254: U2.39 105.509,47.978 106.299,48.768 115.189,48.768 JP5.5
PB4/REL13: JP5.6 U2.40 | length 20.7
  Top Layer w0.254: U2.40 105.009,48.875 106.172,50.038 116.459,50.038 JP5.6
PB5/REL14: JP5.7 U2.41 | length 21.7
  Top Layer w0.254: U2.41 104.509,49.772 106.064,51.327 117.71,51.327 JP5.7
PB6/REL15: JP5.8 U2.42 | length 22.7
  Top Layer w0.254: U2.42 104.009,50.669 105.918,52.578 118.999,52.578 JP5.8
PB7/REL16: JP5.9 U2.43 | length 23.7
  Top Layer w0.254: U2.43 103.509,51.566 105.664,53.721 JP5.9
PB8: U2.45
PB9: U2.46
PB12: U2.25
PB13: U2.26
PB14: U2.27
PB15: U2.28
PC13: U2.2
PC14: C15.1 U2.3 Y2.1 | length 36.1
  Top Layer w0.254: C15.1 68.961,48.895 69.806,48.05 Y2.1 69.806,45.877 70.329,45.354 72.248,45.354 72.644,44.958 92.71,44.958 94.262,43.406 U2.3
PC15: C14.1 U2.4 Y2.4 | length 44.4
  Top Layer w0.254: Y2.4 69.857,42.926 72.332,42.926 73.475,44.069 78.613,44.069 79.774,42.908 99.732,42.908 U2.4
  Bottom Layer w0.254: C14.1 74.803,34.29 79.756,39.243 v1(79.756,42.926)
RESET: C21.1 R12.1 SW3.2 U2.7 | length 21
  Top Layer w0.254: C21.1 87.927,33.993 SW3.2 ; R12.1 91.293,38.842 93.857,41.406 U2.7
  Top Layer w0.3: C21.1 89.662,37.338 R12.1
RXD0/USB_TX: R3.2 U1.34 | length 49
  Top Layer w0.3: v1(76.2,110.617) 76.204,110.621 78.077,110.621 U1.34
  Bottom Layer w0.3: R3.2 72.644,76.053 72.644,79.629 67.564,84.709 67.564,109.347 69.091,110.874 75.924,110.874 76.181,110.617 v1(76.2,110.617)
SVN: U1.5
SVP: U1.4
SWCLK: H1.2 U2.37 | length 84.2
  Top Layer w0.254: U2.37 106.509,47.327 106.934,47.752 111.887,47.752 v1(113.411,46.228)
  Bottom Layer w0.254: H1.2 66.294,30.353 70.358,26.289 115.189,26.289 116.332,27.432 116.332,43.307 v1(113.411,46.228)
SWDIO: H1.3 U2.34 | length 130.5
  Top Layer w0.254: v1(79.502,53.721) 79.502,60.96 80.899,62.357 96.075,62.357 98.489,59.944 120.142,59.944 122.682,57.404 122.682,42.799 122.174,42.291 115.189,42.291 114.074,43.406 U2.34
  Bottom Layer w0.254: H1.3 63.794,31.155 62.23,29.591 59.309,29.591 57.785,31.115 57.785,38.1 64.262,44.577 69.469,44.577 71.628,46.736 71.628,51.816 72.263,52.451 78.232,52.451 v1(79.502,53.721)
TXD0/USB_RX: R4.2 U1.35 | length 45.9
  Top Layer w0.3: v1(76.2,111.887) 76.204,111.891 78.077,111.891 U1.35
  Bottom Layer w0.3: R4.2 66.548,82.824 66.548,110.109 68.326,111.887 v1(76.2,111.887)
USB_D+: U6.4 USB1.3 | length 23.3
  Top Layer w0.3: USB1.3 29.386,81.423 29.21,81.599 29.21,84.963 30.48,86.233 35.941,86.233 40.267,81.907 U6.4
USB_D-: U6.5 USB1.2 | length 15.2
  Top Layer w0.3: USB1.2 37.807,82.073 38.473,81.407 U6.5
USB_DTR: Q2.1 R1.1 U6.28 | length 34.9
  Top Layer w0.254: R1.1 27.853,92.67 29.845,90.678 36.703,90.678 40.513,86.868 45.323,86.868 46.466,85.725
  Top Layer w0.3: Q2.1 41.91,92.456 46.466,87.9 46.466,85.725 U6.28
USB_RTS: Q1.1 R2.1 U6.24 | length 34.3
  Top Layer w0.3: R2.1 29.905,97.349 Q1.1 32.379,95.625 32.379,96.006 34.798,98.425 36.64,98.425 36.668,98.453 43.66,98.453 48.466,93.647 U6.24
VBAT: U2.1
VCCUSB: USB1.1
VIN: C1.1 C2.1 D1.2 U3.1 U4.1 | length 119.1
  Top Layer w0.4: C1.1 27.559,45.085 26.416,46.228 26.416,56.007 27.53,57.121 U3.1 31.85,59.028 33.655,60.833 v2(45.847,60.833) 46.863,61.849 D1.2 ; v1(89.535,79.883) 88.011,78.359 88.011,72.644 89.789,70.866 C2.1
  Bottom Layer w0.4: v2(45.847,60.833) 58.039,60.833 60.833,63.627 60.833,69.723 63.373,72.263 74.549,72.263 76.2,73.914 87.63,73.914 90.678,70.866 C2.1 ; v1(89.535,79.883) 89.549,79.897 93.686,79.897 U4.1
pads on no net: U1.32 U5.4 U6. U6.1 U6.2 U6.10 U6.11 U6.12 U6.13 U6.14 U6.15 U6.16 U6.17 U6.18 U6.19 U6.20 U6.21 U6.22 U6.23 U6.27 USB1. USB1.4 USB1.8 USB1.9 Y2.2 Y2.3
copper on no net: | length 180.9
  Top Layer w0.254: 22.225,26.924 22.733,25.4 ; 22.225,122.174 22.733,123.698 ; 22.479,25.4 22.987,25.4 ; 22.479,123.698 22.987,123.698 ; 22.733,66.525 22.733,25.4 ; 22.733,82.573 22.733,123.698 ; 23.241,26.924 22.733,25.4 ; 23.241,122.174 22.733,123.698 ; 25.448,22.276 25.448,22.784 ; 26.972,22.022 25.448,22.53 ; 26.972,23.038 25.448,22.53 ; 67.335,22.53 25.448,22.53 ; 83.383,22.53 125.27,22.53 ; 123.746,22.022 125.27,22.53 ; 123.746,23.038 125.27,22.53 ; 125.27,22.276 125.27,22.784

## Polygon pours and split planes (outlines as drawn)
GND on Bottom Layer "GND_L02_P000" (solid, remove dead copper, pour order 0): 25.4,116.84 25.4,25.4 125.222,25.4 125.222,116.84
GND on Top Layer "GND_L01_P001" (solid, remove dead copper, pour order 1): 25.4,116.84 125.222,116.84 125.222,25.4 25.4,25.4

## Keep-outs
Keep-Out Layer:
  the board outline again, w0.254

## Other copper
Top Layer:
  text "98.298 (mm)" at 23.647,66.779 h1.52 r90
  text "99.822 (mm)" at 67.589,21.615 h1.52

## Silkscreen, mask and mechanical layers (free items; w line width, h text height)
Top Overlay:
  lines w0.254: 103.886,108.331 114.554,108.331 114.554,110.871 103.886,110.871 103.886,108.331
  text "RESET" at 41.656,111.01 h1.02
  text "BOOT" at 48.768,111.01 h1.02
  text "MISO" at 104.394,109.994 h1.02
  text "SCK" at 107.061,109.994 h1.02
  text "RST" at 109.601,109.994 h1.02
  text "GND" at 112.014,109.994 h1.02
  text "DO" at 104.775,108.597 h1.02
  text "MOSI" at 106.807,108.597 h1.02
  text "NSS" at 109.601,108.597 h1.02
  text "3V3" at 112.268,108.597 h1.02
  text "GATEWAY_V2.0" at 92.075,85.994 h1.52
  text "AmazingTech" at 97.916,84.821 h1.27
  text "GND" at 122.059,57.277 h1.02 r270
  text "RE16" at 122.059,54.991 h1.02 r270
  text "RE15" at 122.059,52.324 h1.02 r270
  text "RE14" at 122.047,49.784 h1.02 r270
  text "RE13" at 122.059,47.244 h1.02 r270
  text "RE12" at 122.047,44.704 h1.02 r270
  text "RE11" at 122.047,42.164 h1.02 r270
  text "RE10" at 122.059,39.497 h1.02 r270
  text "RE9" at 122.059,36.83 h1.02 r270
  text "5V" at 122.059,33.909 h1.02 r270
  text "GND" at 46.609,33.159 h1.02
  text "3V3" at 49.53,33.159 h1.02
  text "3V3" at 52.07,33.159 h1.02
  text "3V3" at 54.037,33.134 h1.02
  text "RE1" at 93.726,28.215 h1.02
  text "RE2" at 96.266,28.215 h1.02
  text "RE3" at 98.806,28.215 h1.02
  text "RE4" at 101.219,28.216 h1.02
  text "RE5" at 103.759,28.218 h1.02
  text "RE6" at 106.299,28.215 h1.02
  text "RE7" at 108.839,28.218 h1.02
  text "RE8" at 111.379,28.215 h1.02
  text "5V" at 91.567,28.206 h1.02
  text "GND" at 113.919,28.206 h1.02
  text "RESET2" at 84.201,27.444 h1.02
  text "GND" at 46.609,26.936 h1.02
  text "5V" at 49.657,26.936 h1.02
  text "5V" at 52.324,26.936 h1.02
  text "5V" at 54.356,26.936 h1.02

## Text inside footprints (layer, text, board x,y; h text height)
U1: Mechanical 2 "1" at 61.68,115.649 h0.7 r90; Mechanical 2 "14" at 61.68,98.749 h0.7 r90; Mechanical 2 "15" at 63.28,98.149 h0.7; Mechanical 2 "24" at 74.68,98.149 h0.7; Mechanical 2 "25" at 78.38,98.549 h0.7 r90; Mechanical 2 "38" at 78.38,115.149 h0.7 r90
U6: Mechanical 2 "28" at 46.166,83.607 h0.7; Mechanical 2 "22" at 48.666,83.507 h0.7; Mechanical 2 "21" at 49.666,83.607 h0.7 r270; Mechanical 2 "15" at 49.666,80.907 h0.7 r270; Mechanical 2 "14" at 48.566,79.807 h0.7; Mechanical 2 "8" at 46.266,79.707 h0.7; Mechanical 2 "7" at 45.666,80.607 h0.7 r270; Mechanical 2 "1" at 45.666,83.407 h0.7 r270
USB1: Mechanical 2 "5" at 29.513,80.423 h0.7 r270; Mechanical 2 "1" at 29.513,82.823 h0.7 r270